# Altium PCB MEBv1.1.PcbDoc
Units mil, origin at the board's own origin, x right, y up, seen from the top; angles counter-clockwise.
Board outline 1960 x 1855 mil, 2 copper layers (Top Layer, Bottom Layer); 34 components, 21 nets, 115 pads, 23 vias.
Unrouted connection lines stored in the file: 7.
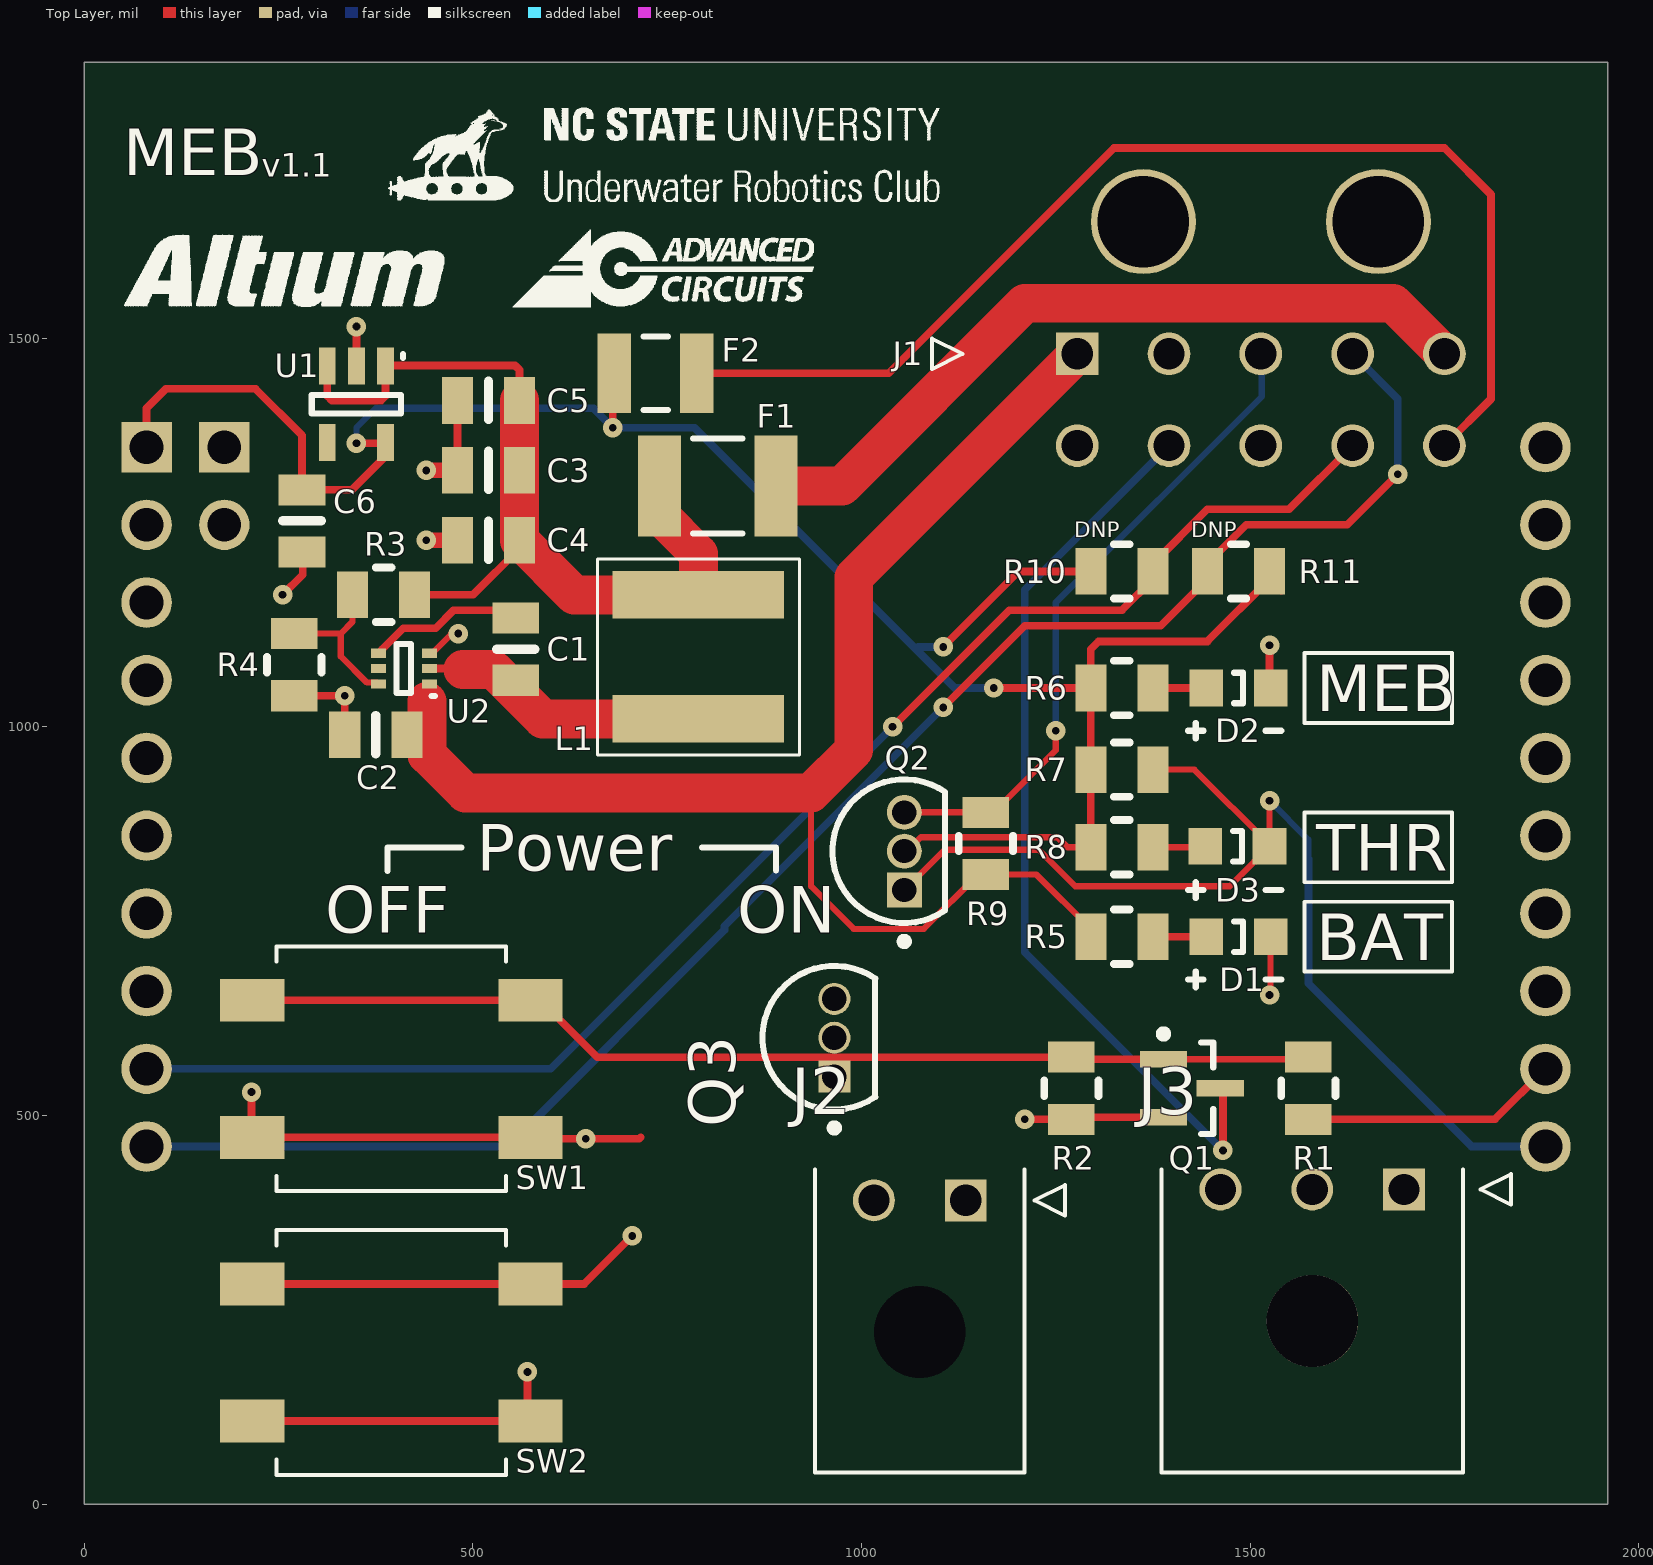
[diagram p0: Top Layer view]
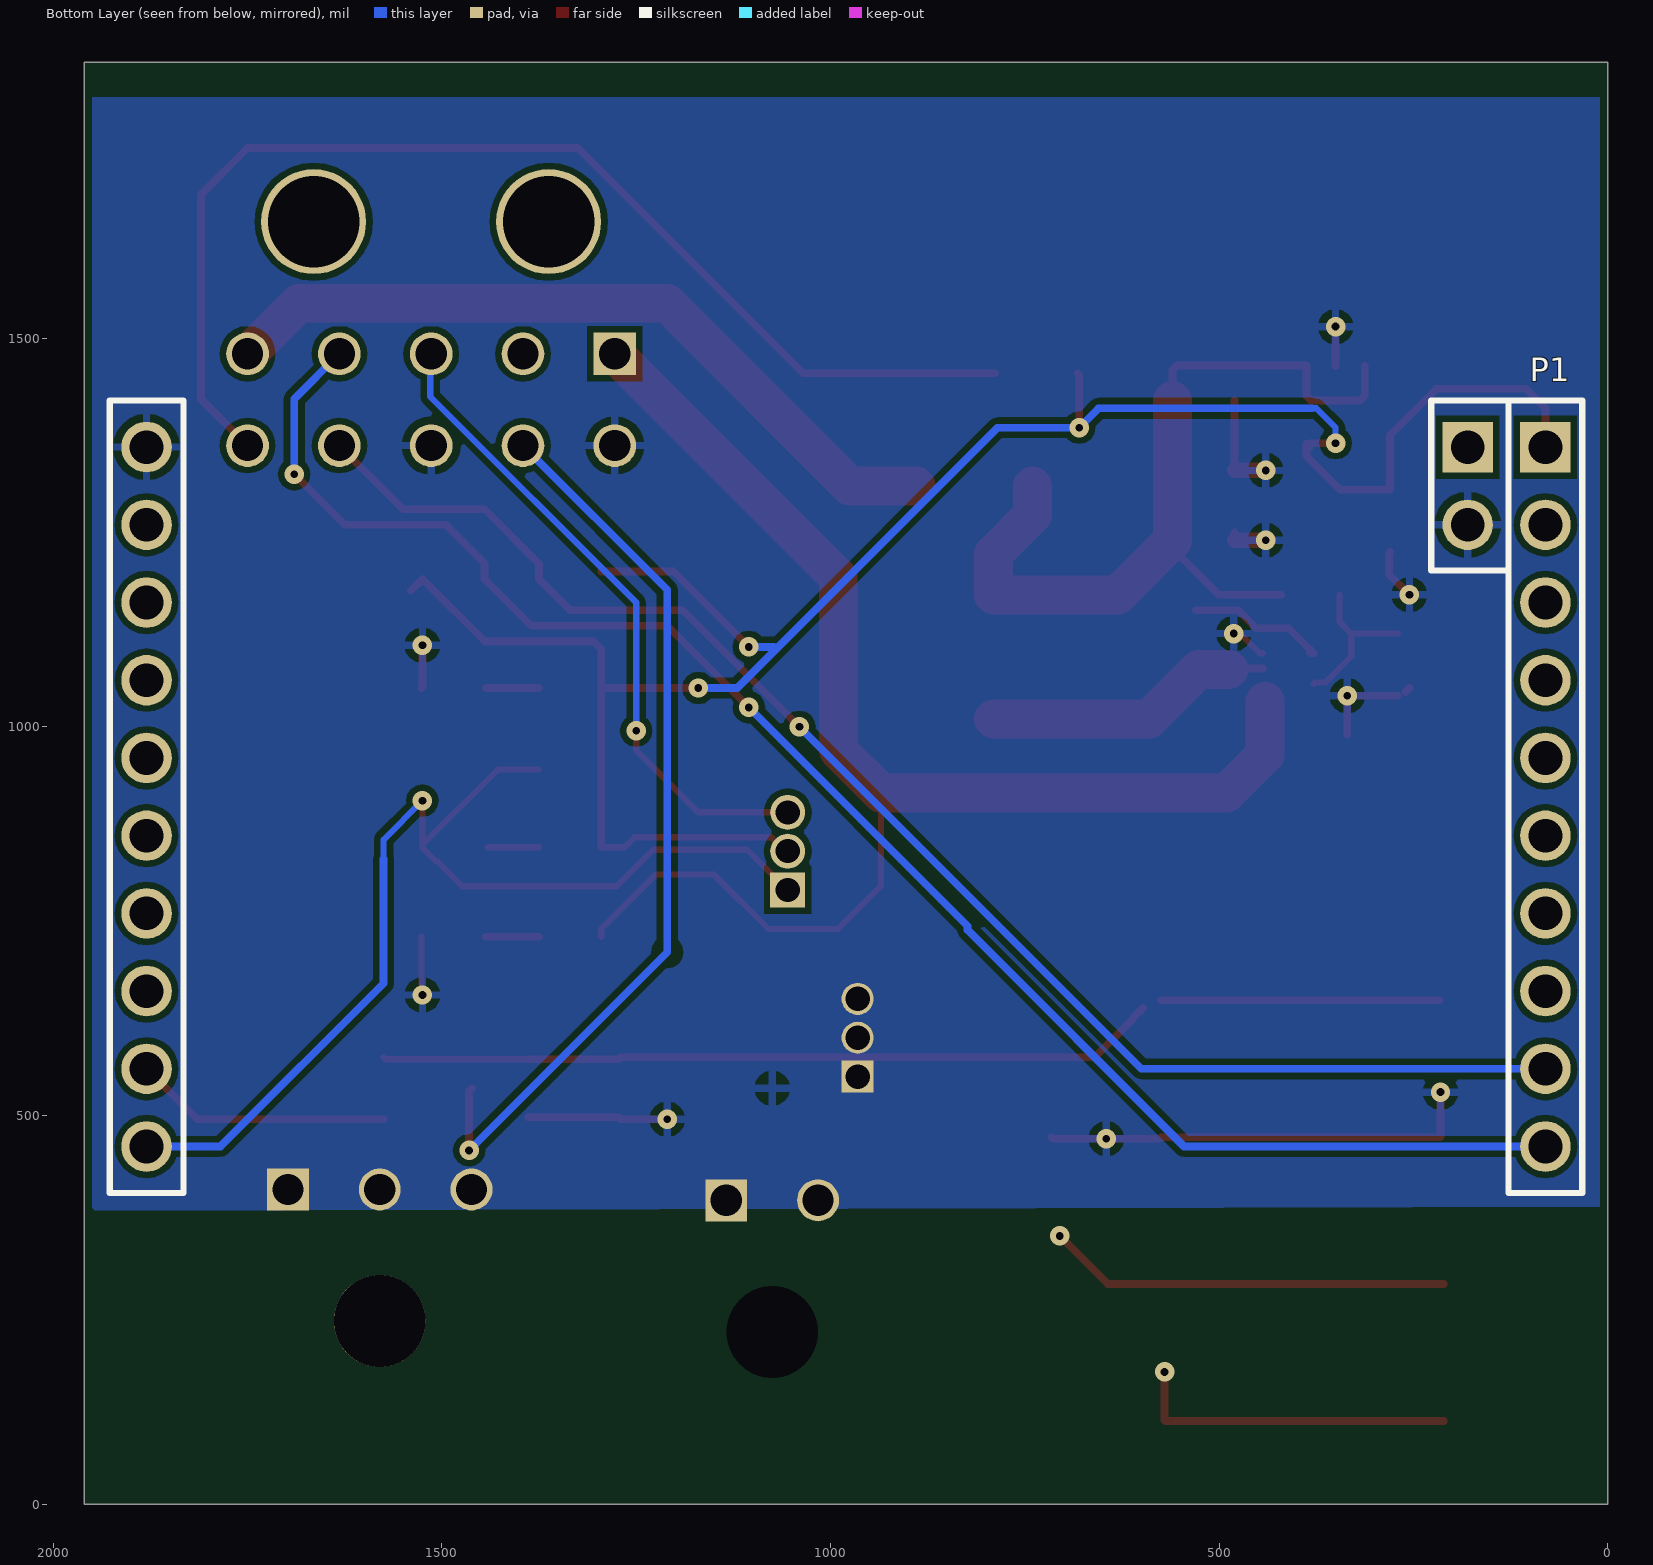
[diagram p1: Bottom Layer view, seen from below]

## Layer stack, top to bottom
Top Solder: solder mask 0.4, Solder Resist, Dk 3.5
Top Layer: signal copper 1.4
Dielectric 1: dielectric 12.6, FR-4, Dk 4.8
Bottom Layer: signal copper 1.4
Bottom Solder: solder mask 0.4, Solder Resist, Dk 3.5

## Board outline
0,0 0,1855 1960,1855 1960,0

## Design rules (kind name [scope] priority, off if disabled: settings)
BoardOutlineClearance [All] p1: gap=10 ignorepadtopadclearanceinfootprint=FALSE except(0: Arc-SplitContinuation Track-SplitContinuation SMDPad-SplitContinuation THPad-SplitContinuation Via-SplitContinuation Fill-SplitContinuation Poly-SplitContinuation Region-SplitContinuation Text-SplitContinuation)
Clearance [All] p1: gap=8 ignorepadtopadclearanceinfootprint=FALSE
HoleSize [All] p1: absolutevalues=TRUE maxlimit=1000 minlimit=4 maxpercent=80.000 minpercent=20.000
HoleToHoleClearance [All] p1: gap=8 allowstackedmicrovias=TRUE
MinimumAnnularRing [All] p1: minimumring=7
MinimumSolderMaskSliver [All] p1: minsoldermaskwidth=5
PolygonConnect [All] p1: connectstyle=Relief reliefconductorwidth=10 reliefentries=4 polygonreliefangle="90 Angle" airgapwidth=10
RoutingVias [All] p1: holewidth=10 width=25 viastyle="Through Hole" minholewidth=4 minwidth=20 maxholewidth=28 maxwidth=50
SilkToSilkClearance [All] p1: silktosilkclearance=5
SilkToSolderMaskClearance [IsPad] p1: minsilkscreentomaskgap=5 clearancetoexposedcopper=TRUE
SolderMaskExpansion [All] p1: expansion=4 istentingtop=FALSE
Width [All] p1: maxlimit=50 minlimit=8 preferedwidth=10 minimp=50.000000 maximp=50.000000 favimp=50.000000
25 further rules are at their usual default settings.

## Classes and differential pairs
component class system_SSR_control: Q1 R1 R2 SW1 SW2
component class power_regulation: C1 C2 C3 C4 C5 C6 L1 R3 R4 U1 U2
component class MSP-EXP430G2ET_interface: P1 R10 R11
component class MEBv1.1: D1 D2 D3 F1 F2 J1 J2 J3 Q2 Q3 R5 R6 R7 R8 R9

## Components (designator, comment, footprint, x,y, rotation, side; value= is the part's Value field where it differs from the comment)
C1 "0.10µF" SMD-0805C 555,1100 r180 top
C2 "10µF" SMD-0805C 375,990 r270 top
C3 "22µF" SMD-0805C 520,1330 r270 top
C4 "22µF" SMD-0805C 520,1240 r270 top
C5 "1µF" SMD-0805C 520,1420 r270 top
C6 "10µF" SMD-0805C 280,1265 r0 top
D1 "3.2V" 0805_A 1485,730 r180 top
D2 "3.2V" 0805_A 1485,1050 r180 top
D3 "1.9V" 0805_A 1483.66,846.34 r180 top
F1 "1.6A" 1812 815,1310 r180 top
F2 "50mA" C1210 735,1455 r180 top
J1 "43045-1000" 43045-1000 1277.56,1480 r180 top value=600V
J2 "215760-3002" 215760-YY02 1134.06,390.75 r0 top
J3 "215760-2003" 215760-2003 1698.11,404.72 r0 top
L1 "4.3 µH" SRP6050CA-4R3M 790,1090 r180 top
P1 "MSP-EXP430G2ET Interface" "MSP-EXP430G2ET Interface" 80,1360 r180 bottom locked value=-
Q1 "2.1V" NDS351AN 1425,535 r0 top
Q2 "2N7000" ONSC-TO-92-3-29-11#1 1055,840 r90 top value=1V
Q3 "2N7000" ONSC-TO-92-3-29-11#2 965,600 r90 top value=1V
R1 "100" SMD-0805-RES 1575,535 r0 top
R2 "10k" SMD-0805-RES 1270,535 r180 top
R3 "52.3k" SMD-0805-RES 385,1170 r90 top
R4 "10k" SMD-0805-RES 270,1080 r180 top
R5 "1.3k" SMD-0805-RES 1335,730 r270 top
R6 "10" SMD-0805-RES 1335,1050 r270 top
R7 "100k" SMD-0805-RES 1335,945 r270 top
R8 "140" SMD-0805-RES 1335,845 r270 top
R9 "100k" SMD-0805-RES 1160,850 r0 top
R10 "4.7k" SMD-0805-RES 1335,1200 r90 top
R11 "4.7k" SMD-0805-RES 1485,1200 r270 top
SW1 "FSM2JSMA" FSM2JSMA 395,560 r270 top value=24V
SW2 "FSM2JSMA" FSM2JSMA 395,195 r270 top value=24V
U1 "AP2139AK-3.3TRG1" AP2139AK-3.3TRG1 350,1415 r270 top value=3.3V
U2 "AP62301Z6-7" AP62301Z6-7 411,1075 r180 top value=5V

## Footprints (in the part's own frame and the unit in brackets; to place one, negate y for a bottom-side part, rotate by r counter-clockwise, add the part's x,y. Pads: shape width x height; smd on the part's side, far side on the other; paste and mask are expansions set on the pad)
0805_A [mm] "Chip LED, 2-Leads, Body 2.0x1.3mm, IPC Medium Density"
  rect 1.1x1.2 smd: 1(-1.05,0) 2(1.05,0)
  silkscreen extent -0.15,-0.5 0.15,0.5, body extent -1,-0.62 1,0.63, height 0.68
1812 [mm] "Chip Capacitor, Body 4.5x3.2mm, IPC High Density"
  rect 1.4x3.3 smd: 1(-1.9,0) 2(1.9,0)
  silkscreen extent -0.8,-1.55 0.8,1.55, body extent -2.4,-1.7 2.4,1.7, height 1.4
43045-1000 [mm]
  rect 1.395x1.395 hole 1.02: 1(0,0)
  round 1.395 hole 1.02: 2(-3,0) 3(-6,0) 4(-9,0) 5(-12,0) 6(0,3) 7(-3,3) 8(-6,3) 9(-9,3) 10(-12,3)
  round 3.432 hole 3 unplated: 11(-2.16,-4.32)
  oval 3.432x3.432 hole 3 unplated: 12(-9.84,-4.32)
  silkscreen extent 3.75,-0.5 4.75,0.5, body extent -15.58,-8.94 3.57,3.3, height 8.79
215760-2003 [mm]
  rect 1.37x1.37 hole 1.02: 1(0,0)
  round 1.37 hole 1.02: 2(-3,0) 3(-6,0)
  round 3 hole 3 unplated: 4(-3,-4.3)
  silkscreen extent -7.93,-9.26 3.5,0.65, body extent -7.93,-9.26 3.5,0.65, height 5.97
215760-YY02 [mm]
  rect 1.37x1.37 hole 1.02: 1(0,0)
  round 1.37 hole 1.02: 2(-3,0)
  round 1.5 hole 3 unplated: 3(-1.5,-4.3)
  silkscreen extent -4.92,-8.9 3.25,1.01, body extent -4.92,-8.9 3.25,1.01, height 10.01
AP2139AK-3.3TRG1 [mm] "SOT95P280X145-5N"
  rect 1.2x0.55 smd: 1(-1.25,0.95) 2(-1.25,0) 3(-1.25,-0.95) 4(1.25,-0.95) 5(1.25,0.95)
  silkscreen extent -0.3,-1.46 0.3,1.46, body extent -1.4,-1.46 1.4,1.46, height 1.45
AP62301Z6-7 [mm] "SOTFL50P162X60-6N"
  rect 0.492x0.3 smd: 1(-0.834,0.5) 2(-0.834,0) 3(-0.834,-0.5) 4(0.834,-0.5) 5(0.834,0) 6(0.834,0.5)
  silkscreen extent -1.02,-0.8 0.24,0.9, body extent -0.81,-0.8 0.81,0.8, height 0.6
C1210 [mm] "Chip Capacitor, Body 3.2x2.5mm, IPC High Density"
  rect 1.1x2.6 smd: 1(-1.35,0) 2(1.35,0)
  silkscreen extent -0.4,-1.2 0.4,1.2, body extent -1.7,-1.35 1.7,1.35, height 1.3
FSM2JSMA [mm] "SPST OFF-MOM Switch"
  rect 1.4x2.1 smd: 1(2.24,4.55) 2(2.24,-4.55) 3(-2.24,4.55) 4(-2.24,-4.55)
  silkscreen extent -4,-3.75 4,3.75, body extent -3,-5 3,5, height 4.28
"MSP-EXP430G2ET Interface" [mm] "MSP-EXP430G2ET Interface"
  rect 1.65x1.65 hole 1.1: 1(0,0) 21(-2.54,0)
  round 1.65 hole 1.1: 2(0,-2.54) 3(0,-5.08) 4(0,-7.62) 5(0,-10.16) 6(0,-12.7) 7(0,-15.24) 8(0,-17.78) 9(0,-20.32) 10(0,-22.86) 11(-45.72,-22.86) 12(-45.72,-20.32) 13(-45.72,-17.78) 14(-45.72,-15.24) 15(-45.72,-12.7) 16(-45.72,-10.16) 17(-45.72,-7.62) 18(-45.72,-5.08) 19(-45.72,-2.54) 20(-45.72,0) 22(-2.54,-2.54)
  silkscreen extent -46.92,-24.39 1.2,1.53, body extent -46.92,-24.39 1.21,1.53, height 8.51
NDS351AN [mm] "SOT23, 3-Leads, Body 3.0x2.6mm (max), Pitch 0.95mm, IPC Medium Density"
  rect 1.55x0.55 smd: D(0.925,0) G(-0.925,0.95) S(-0.925,-0.95)
  silkscreen extent -1.05,-1.5 0.7,1.9, body extent -0.7,-1.5 0.7,1.5, height 1.1
ONSC-TO-92-3-29-11#1 [mil] "TO, 3-Leads, Body Dia 4.7mm, Pitch 1.27mm"
  rect 45x45 hole 31: 1(-50,0)
  round 45 hole 31: 2(0,0) 3(50,0)
  silkscreen extent -121,-53 92,92, body extent -92,-53 93,93, height 310
ONSC-TO-92-3-29-11#2 [mil] "TO, 3-Leads, Body Dia 4.7mm, Pitch 1.27mm"
  rect 41.34x41.34 hole 31.5: 1(-50,0)
  round 41.34 hole 31.5: 2(0,0) 3(50,0)
  silkscreen extent -121,-53 92,92, body extent -92,-53 93,93, height 310
SMD-0805-RES [mil]
  rect 60x40 smd: 1(0,40) 2(0,-40)
  silkscreen extent -35,-10 35,10, body extent -24,-39 26,39, height 31
SMD-0805C [mil]
  rect 60x40 smd: 1(0,40) 2(0,-40)
  silkscreen extent -25,0 25,0, body extent -25,-39 25,39, height 35
SRP6050CA-4R3M [mm] "SRP6050CA-4R3M"
  rect 5.6x1.55 smd: 1(0,2.025) 2(0,-2.025)
  silkscreen extent -3.3,-3.2 3.3,3.2, body extent -3.3,-3.2 3.3,3.2, height 4.86

## Part data
C1: library part GCD21BR71H104KA01L, "CAP CER 0.1UF 50V X7R 0805", Manufacturer=YAGEO, Manufacturer Part Number=CC0805JPX7R9BB104, Operating Temperature="-55°C ~ 125°C", Package / Case="0805 (2012 Metric)", Datasheet Link=https://www.yageo.com/upload/media/product/productsearch/datasheet/mlcc/UPY-GPHC_X7R_6.3V-to-50V_20.pdf, RoHS=YES
C2: library part GCJ21BR71A106KE01L, "CAP CER 10UF 25V X5R 0805", Manufacturer="Samsung Electro-Mechanics", Manufacturer Part Number=CL21A106KAYNNNE, Operating Temperature="-55°C ~ 85°C", Package / Case="0805 (2012 Metric)", Datasheet Link=https://media.digikey.com/pdf/Data%20Sheets/Samsung%20PDFs/CL_Series_MLCC_ds.pdf, RoHS=YES
C3 C4: library part GRM219R60J226ME47D, "MLCC22UF25V 20 X5R0805", Manufacturer="Samsung Electro-Mechanics", Manufacturer Part Number=CL21A226MAYNNNE, Operating Temperature="-55°C ~ 85°C", Package / Case="0805 (2012 Metric)", Datasheet Link=https://media.digikey.com/pdf/Data%20Sheets/Samsung%20PDFs/CL21A226MAYNNNE_Spec.pdf, RoHS=YES
C5: library part GCJ219R71C105KA01D, "CAP CER 1UF 25V X7R 0805", Manufacturer="Samsung Electro-Mechanics", Manufacturer Part Number=CL21B105KAFNNNE, Operating Temperature="-55°C ~ 125°C", Package / Case="0805 (2012 Metric)", Datasheet Link=https://media.digikey.com/pdf/Data%20Sheets/Samsung%20PDFs/CL_Series_MLCC_ds.pdf, RoHS=YES
C6: library part GCJ219R71C105KA01D, "CAP CER 10UF 25V X5R 0805", Manufacturer="Samsung Electro-Mechanics", Manufacturer Part Number=CL21A106KAYNNNE, Operating Temperature="-55°C ~ 85°C", Package / Case="0805 (2012 Metric)", Datasheet Link=https://media.digikey.com/pdf/Data%20Sheets/Samsung%20PDFs/CL_Series_MLCC_ds.pdf, RoHS=YES
D1: library part CMP-1426-00008-1, Manufacturer="Würth Elektronik", Manufacturer Part Number=150080BS75000, Operating Temperature="-40°C ~ 85°C", Package / Case="0805 (2012 Metric)", Datasheet Link=https://www.we-online.com/katalog/datasheet/150080BS75000.pdf, RoHS=YES
D2: library part CMP-1426-00007-1, Manufacturer="Würth Elektronik", Manufacturer Part Number=150080GS75000, Operating Temperature="-40°C ~ 85°C", Package / Case="0805 (2012 Metric)", Datasheet Link=https://www.we-online.com/katalog/datasheet/150080GS75000.pdf, RoHS=YES
D3: library part CMP-1426-00010-1, Manufacturer="Würth Elektronik", Manufacturer Part Number=150080SS75000, Operating Temperature="-40°C ~ 85°C", Package / Case="0805 (2012 Metric)", Datasheet Link=https://www.we-online.com/katalog/datasheet/150080SS75000.pdf, RoHS=YES
F1: library part MF-MSMF160-2, Manufacturer="Bourns Inc.", Operating Temperature="-40°C ~ 85°C", Package / Case="1812 (4532 Metric)", Datasheet Link=https://www.bourns.com/docs/Product-Datasheets/mfmsmf.pdf, Manufacturer Part Number=MF-MSMF160-2, RoHS=YES
F2: library part MF-MSMF160-2, Manufacturer="Bourns Inc.", Manufacturer Part Number=MF-USMF005-2, Operating Temperature="-40°C ~ 85°C", Package / Case="1210 (3225 Metric)", Datasheet Link=https://www.bourns.com/docs/Product-Datasheets/mfusmf.pdf, RoHS=YES
J1: Manufacturer=Molex, Manufacturer Part Number=0430451000, Operating Temperature="-40°C ~ 105°C", Package / Case=Non-standard, Datasheet Link=https://www.molex.com/pdm_docs/sd/430451000_sd.pdf, RoHS=YES
J2 J3: "Connector", Manufacturer_Name=Molex
  J2: Datasheet Link=https://www.molex.com/pdm_docs/sd/2157601002_sd.pdf, Height=9.91mm, Manufacturer_Part_Number=215760-3002
  J3: Datasheet Link=https://www.molex.com/pdm_docs/sd/2157601003_sd.pdf, Height=5.87mm, Manufacturer_Part_Number=215760-2003
L1: library part SRP6050CA-4R3M, "FIXED IND 4.3UH 9A 16.2 MOHM SMD", Manufacturer="Bourns Inc.", Operating Temperature="-55°C ~ 155°C", Package / Case=Non-standard, Datasheet Link=https://www.bourns.com/docs/Product-Datasheets/SRP6050CA.pdf, Manufacturer Part Number=SRP6050CA-4R3M, RoHS=YES
P1: Manufacturer="URC Custom", Manufacturer Part Number=-, Package / Case=Non-standard, Datasheet Link=-, Operating Temperature=-, RoHS=YES
Q1: library part N-MOSFET, "MOSFET N-CH 60V 270MA TO236AB", Manufacturer="Nexperia USA Inc.", Manufacturer Part Number=NX7002BKR, Operating Temperature="-55°C ~ 150°C", Package / Case=SOT-23-3, Datasheet Link=https://assets.nexperia.com/documents/data-sheet/NX7002BK.pdf, RoHS=YES
Q2 Q3: library part CMP-1058-00936-1, "MOSFET N-CH 60V 200MA TO92-3", Manufacturer="On Semiconductor", Operating Temperature="-55°C ~ 150°C", Package / Case=TO-92, Datasheet Link=http://www.onsemi.com/pub_link/Collateral/2N7000-D.PDF, Manufacturer Part Number=2N7000, RoHS=YES
R1: library part ERJ-6ENF1000V, "RES 100 OHM 1% 1/8W 0805", Manufacturer=YAGEO, Manufacturer Part Number=RC0805FR-07100RL, Operating Temperature="-55°C ~ 155°C", Package / Case="0805 (2012 Metric)", Datasheet Link=https://www.yageo.com/upload/media/product/productsearch/datasheet/rchip/PYu-RC_Group_51_RoHS_L_11.pdf, RoHS=YES
R2 R4: library part ERJ-6ENF1002V, "RES 10K OHM 5% 1/8W 0805", Manufacturer=YAGEO, Manufacturer Part Number=RC0805JR-0710KL, Operating Temperature="-55°C ~ 155°C", Package / Case="0805 (2012 Metric)", Datasheet Link=https://www.yageo.com/upload/media/product/productsearch/datasheet/rchip/PYu-RC_Group_51_RoHS_L_11.pdf, RoHS=YES
R3: library part ERJ-6ENF5232V, "RES 52.3K OHM 1% 1/8W 0805", Manufacturer=YAGEO, Manufacturer Part Number=RC0805FR-0752K3L, Operating Temperature="-55°C ~ 155°C", Package / Case="0805 (2012 Metric)", Datasheet Link=https://www.yageo.com/upload/media/product/productsearch/datasheet/rchip/PYu-RC_Group_51_RoHS_L_11.pdf, RoHS=YES
R5: library part ERJ-6GEYJ132V, Manufacturer="KOA Speer Electronics, Inc.", Manufacturer Part Number=RK73B2ATTD132J, Operating Temperature="-55°C ~ 155°C", Package / Case="0805 (2012 Metric)", Datasheet Link=https://www.koaspeer.com/pdfs/RK73B.pdf, RoHS=YES
R6: library part ERJ-6ENF10R0V, Manufacturer=YAGEO, Manufacturer Part Number=RC0805FR-0710RL, Operating Temperature="-55°C ~ 155°C", Package / Case="0805 (2012 Metric)", Datasheet Link=https://www.yageo.com/upload/media/product/productsearch/datasheet/rchip/PYu-RC_Group_51_RoHS_L_11.pdf, RoHS=YES
R7: library part ERJ-6ENF1400V, Manufacturer=YAGEO, Manufacturer Part Number=RC0805FR-07140RL, Operating Temperature="-55°C ~ 155°C", Package / Case="0805 (2012 Metric)", Datasheet Link=https://www.yageo.com/upload/media/product/productsearch/datasheet/rchip/PYu-RC_Group_51_RoHS_L_11.pdf, RoHS=YES
R8: library part ERJ-6ENF1400V, "RES 140 OHM 1% 1/8W 0805", Manufacturer=YAGEO, Manufacturer Part Number=RC0805FR-07140RL, Operating Temperature="-55°C ~ 155°C", Package / Case="0805 (2012 Metric)", Datasheet Link=https://www.yageo.com/upload/media/product/productsearch/datasheet/rchip/PYu-RC_Group_51_RoHS_L_11.pdf, RoHS=YES
R9: library part ERJ-6ENF1003V, "RES SMD 100K OHM 1% 1/8W 0805", Manufacturer="Panasonic Electronic Components", Operating Temperature="-55°C ~ 155°C", Package / Case="0805 (2012 Metric)", Datasheet Link=http://industrial.panasonic.com/www-cgi/jvcr13pz.cgi?E+PZ+3+AOA0002+ERJ6ENF1003V+7+WW, Manufacturer Part Number=ERJ-6ENF1003V, RoHS=YES
R10 R11: library part ERJ-6ENF4701V, "RES SMD 4.7K OHM 1% 1/8W 0805", Manufacturer=YAGEO, Manufacturer Part Number=RT0805FRE074K7L, Operating Temperature="-55°C ~ 155°C", Package / Case="0805 (2012 Metric)", Datasheet Link=https://www.yageo.com/upload/media/product/productsearch/datasheet/rchip/PYu-RT_1-to-0.01_RoHS_L_12.pdf, RoHS=YES
SW1 SW2: "SWITCH TACTILE SPST-NO 0.05A 24V", Manufacturer="TE Connectivity", Operating Temperature="-35°C ~ 85°C", Package / Case=Non-standard, Datasheet Link=https://www.te.com/commerce/DocumentDelivery/DDEController?Action=srchrtrv&DocNm=1308111-1_SWITCHES_CORE_PROGRAM_CATALOG&DocType=CS&DocLang=English, Manufacturer Part Number=FSM2JSMA, RoHS=YES
U1: "IC REG LINEAR 3.3V 250MA SOT23-5", Manufacturer="Diodes Inc.", Operating Temperature="-40°C ~ 85°C", Package / Case=SOT-23-5, Datasheet Link=https://www.diodes.com/assets/Datasheets/AP2138-9.pdf, Manufacturer Part Number=AP2139AK-3.3TRG1, RoHS=YES
U2: "DCDC CONV HV BUCK SOT563 T&R 3K", Manufacturer="Diodes Inc.", Operating Temperature="-40°C ~ 85°C", Package / Case=SOT-563, Datasheet Link=https://www.diodes.com/assets/Datasheets/AP62300_AP62301_AP62300T.pdf, Manufacturer Part Number=AP62301Z6-7, RoHS=YES

## Via types
v1: diameter 25, hole 10, Top Layer to Bottom Layer, 23 vias

## Nets (pads, with @x,y where several pads share a name; then routed paths per layer and width w, separated by ;. In a path a pad name is that pad's centre, name@x,y a point inside that pad or via, vN(x,y) a via of type N, cw(c..) or ccw(c..) an arc to the next point about the centre after c; other vN are vias at no path point)
3V3: C6.1 F2.2 P1.1 Q2.2 R6.2 R7.2 R8.2 R10.1 R11.1 U1.5 | length 2793.7
  Top Layer w8: Q2.2 1058.36,840 1076.36,858 1252,858 1265,845 R8.2
  Top Layer w10: P1.1 80,1410 105,1435 220,1435 280,1375 C6.1 344.41,1305 387.4,1347.99 387.4,1364.17 U1.5@383.23,1360 ; v1(350,1365) U1.5@383.23,1365 ; v1(680,1385) 680,1453.15 F2.2 ; v1(1105,1102.93) 1202.07,1200 R10.1 ; v1(1170,1050) R6.2 ; R8.2 R7.2 R6.2 ; R11.1@1540,1175 1525,1190 1445,1110 1305,1110 1295,1100 R6.2
  Bottom Layer w8: v1(350,1365) 350,1385 375,1410 380,1410
  Bottom Layer w10: 380,1410 655,1410 v1(680,1385) 785,1385 1070,1100 ; v1(1105,1102.93) 1072.93,1102.93 1070,1100 ; v1(1170,1050) 1120,1050 1070,1100
5V: C3.1 C4.1 C5.1 F1.2 L1.2 R3.2 U1.1 U1.3 | length 1145.7
  Top Layer w10: U1.3 312.6,1425.86 318.46,1420 381.54,1420 387.4,1425.86 U1.1 388.19,1465 554.14,1465 560,1459.14 C5.1 ; R3.2@420,1170 500,1170 560,1230 C4.1
  Top Layer w50: C5.1 C3.1 C4.1 630.28,1169.72 L1.2 790,1222.8 740.2,1272.6 F1.2
GND: C2.2 C3.2 C4.2 C5.2 C6.2 D1.1 D2.1 J1.6 J1.8 J3.2 P1.20 P1.22 Q1.S Q3.3 R2.1 R4.1 SW1.1 SW1.2 SW2.1 SW2.2 U1.2 U2.3 | length 1766.2
  Top Layer w8: U2.3 447.61,1094.68 469.68,1116.75 477.81,1116.75 v1(481.07,1120) ; v1(1525,655) 1526.34,656.34 D1.1
  Top Layer w10: SW2.2@210.87,106.81 SW2.1@569.13,106.81 ; v1(215,530) 215,472.68 SW1.2 SW1.1 575.95,470 v1(645,470) 714.06,470 715.87,471.81 ; R4.1@255,1050 R4.1@260,1045 ; v1(255,1170) 280.86,1195.86 280.86,1224.14 C6.2 ; R4.1 v1(335,1040) C2.2 ; U1.2 v1(350,1515) ; v1@472.93,1120 v1(481.07,1120) ; C4.2 C4.2@480,1250 ; C3.2 C5.2 ; SW2.1@570,107.68 v1(570,170) ; v1(1210,495) R2.1 1272.6,497.6 Q1.S ; v1(1525,1105) 1525,1051.34 D2.1
  Top Layer w20: v1(440,1240) C4.2 ; v1(440,1330) C3.2
KILL_SW_ARM: J2.2 Q3.1
NetC1_1: C1.1 L1.1 U2.2 | length 373
  Top Layer w10: U2.2 486,1075 487,1074
  Top Layer w50: 487,1074 526,1074 589.72,1010.28 L1.1
NetC1_2: C1.2 U2.4 | length 177
  Top Layer w10: U2.4 381.95,1094.68 382.85,1095.59 382.85,1099.37 410.48,1127 452,1127 475,1150 C1.2@530,1150
NetD1_2: D1.2 R5.1 | length 68.7
  Top Layer w10: R5.1 D1.2
NetD2_2: D2.2 R6.1 | length 68.7
  Top Layer w10: R6.1 D2.2
NetD3_2: D3.2 R8.1 | length 66
  Top Layer w8: R8.1 D3.2@1440.98,845
NetF1_1: F1.1 J1.5 | length 984.5
  Top Layer w50: F1.1 975,1310 1210,1545 1683.93,1545 1748.93,1480 J1.5
NetF2_1: F2.1 J1.10 | length 1514.8
  Top Layer w10: F2.1 1035,1455 1325,1745 1750,1745 1810,1685 1810,1421.89 J1.10
NetR3_1: R3.1 R4.2 U2.6 | length 208.4
  Top Layer w8: R4.2 330,1120 ; R3.1 345,1135 330,1120 ; U2.6 376.39,1057.09 363.51,1057.09 330,1090.6 330,1120
SCL: J1.9 P1.9 R10.2 | length 1895.8
  Top Layer w10: v1(1040,1000) 1190,1150 1335,1150 1375,1190 1375,1210 1445,1280 1550,1280 J1.9
  Bottom Layer w10: P1.9 600,560 v1(1040,1000)
SDA: J1.4 P1.10 R11.2 | length 2162
  Top Layer w10: v1(1105,1025) 1210,1130 1385,1130 1445,1190 1445,1210 1495,1260 1625,1260 v1(1690,1325)
  Bottom Layer w10: P1.10 545,460 823.57,738.57 823.57,743.57 v1(1105,1025) ; J1.4 1690,1421.89 v1(1690,1325)
SW_ARM: J1.2 Q3.2
SYS_ENABLE: P1.12 R1.2 | length 331.9
  Top Layer w10: R1.2 1815,495 P1.12
SYS_SSR_P4_Coil-: J1.7 J3.3 Q1.D SW2.3 SW2.4 | length 1690.6
  Top Layer w10: SW2.4@210.87,283.19 569.13,283.19 643.19,283.19 v1(705,345) ; Q1.D 1465,531.42 v1(1465,455)
  Bottom Layer w10: J1.7 1210,1176.22 1210,710 v1(1465,455)
SYS_SW: J3.1 Q1.G R1.1 R2.2 SW1.3 SW1.4 | length 1364.3
  Top Layer w8: Q1.G 1572.4,572.4 R1.1
  Top Layer w10: SW1.4 SW1.3 ; SW1.3@597.91,638.19 610.47,625.63 610.47,624.53 660,575 R2.2 1272.6,572.4 Q1.G
THR_KILLED: D3.1 P1.11 Q2.1 R7.1 | length 1444.7
  Top Layer w8: Q2.1 1107,842 1228,842 1275,795 1473.66,795 1505.38,826.72 1507.35,826.72 1525,844.37 D3.1 D3.1@1525,848.31 ; R7.1 1428.31,945 D3.1@1525,848.31 ; v1(1525,905) D3.1@1525,848.31
  Top Layer w10: P1.11@1865.13,460 P1.11
  Bottom Layer w8: v1(1525,905) 1575,855 1575,830
  Bottom Layer w10: 1575,830 1575,670 1785,460 P1.11
THR_SSR_P4_COIL-: J1.3 J2.1 Q2.3 R9.1 | length 848.4
  Top Layer w8: Q2.3 R9.1 1170,890 1250,970 v1(1250,995)
  Bottom Layer w8: v1(1250,995) 1250,1160 1515,1425 1515,1478.78 J1.3
V_BAT: C2.1 J1.1 R5.2 R9.2 U2.1 | length 2100.6
  Top Layer w8: 935,915 935,795 990,740 1080,740 1150,810 R9.2 1225,810 1295,740 R5.2
  Top Layer w10: 1010,970 1010,1212.44
  Top Layer w50: 441,1033 441,964 490,915 935,915 990,970 990,1192.44 1010,1212.44 J1.1@1275.59,1478.03
pads on no net: J1.11 J1.12 J2.3 J3.4 P1.2 P1.3 P1.4 P1.5 P1.6 P1.7 P1.8 P1.13 P1.14 P1.15 P1.16 P1.17 P1.18 P1.19 P1.21 U1.4 U2.5

## Polygon pours and split planes (outlines as drawn)
GND on Bottom Layer "GND_L02_P000" (solid, pour order 0): 10,1810 1950,1810 1950,453.37 1950,377.5 10,382.5

## Silkscreen, mask and mechanical layers (free items; w line width, h text height)
Top Overlay:
  drawing of 96 lines, arcs and shapes, not listed
  text "MEB" at 50,1710 h60
  text "v1.1" at 228,1708 h30
  text "DNP" at 1274,1244 h20
  text "DNP" at 1424,1244 h20
  text "MEB" at 1585,1020 h60
  text "Power" at 505,815 h60
  text "THR" at 1585,815 h60
  text "OFF" at 310,735 h60
  text "ON" at 840,735 h60
  text "BAT" at 1585,700 h60
Mechanical 1:
  lines w0: 0,370 1960,370 ; 0,370 0,1820 ; 0,370 1960,370 ; 0,370 0,1820 ; 0,1820 1960,1820 ; 0,1820 1960,1820 ; 1960,370 1960,1820 ; 1960,370 1960,1820

## Dimensions
1960,1855 to 1960,0 on Mechanical 1
0,1855 to 1960,1855 on Mechanical 1